# KiCad board Combined.kicad_pcb (continued)
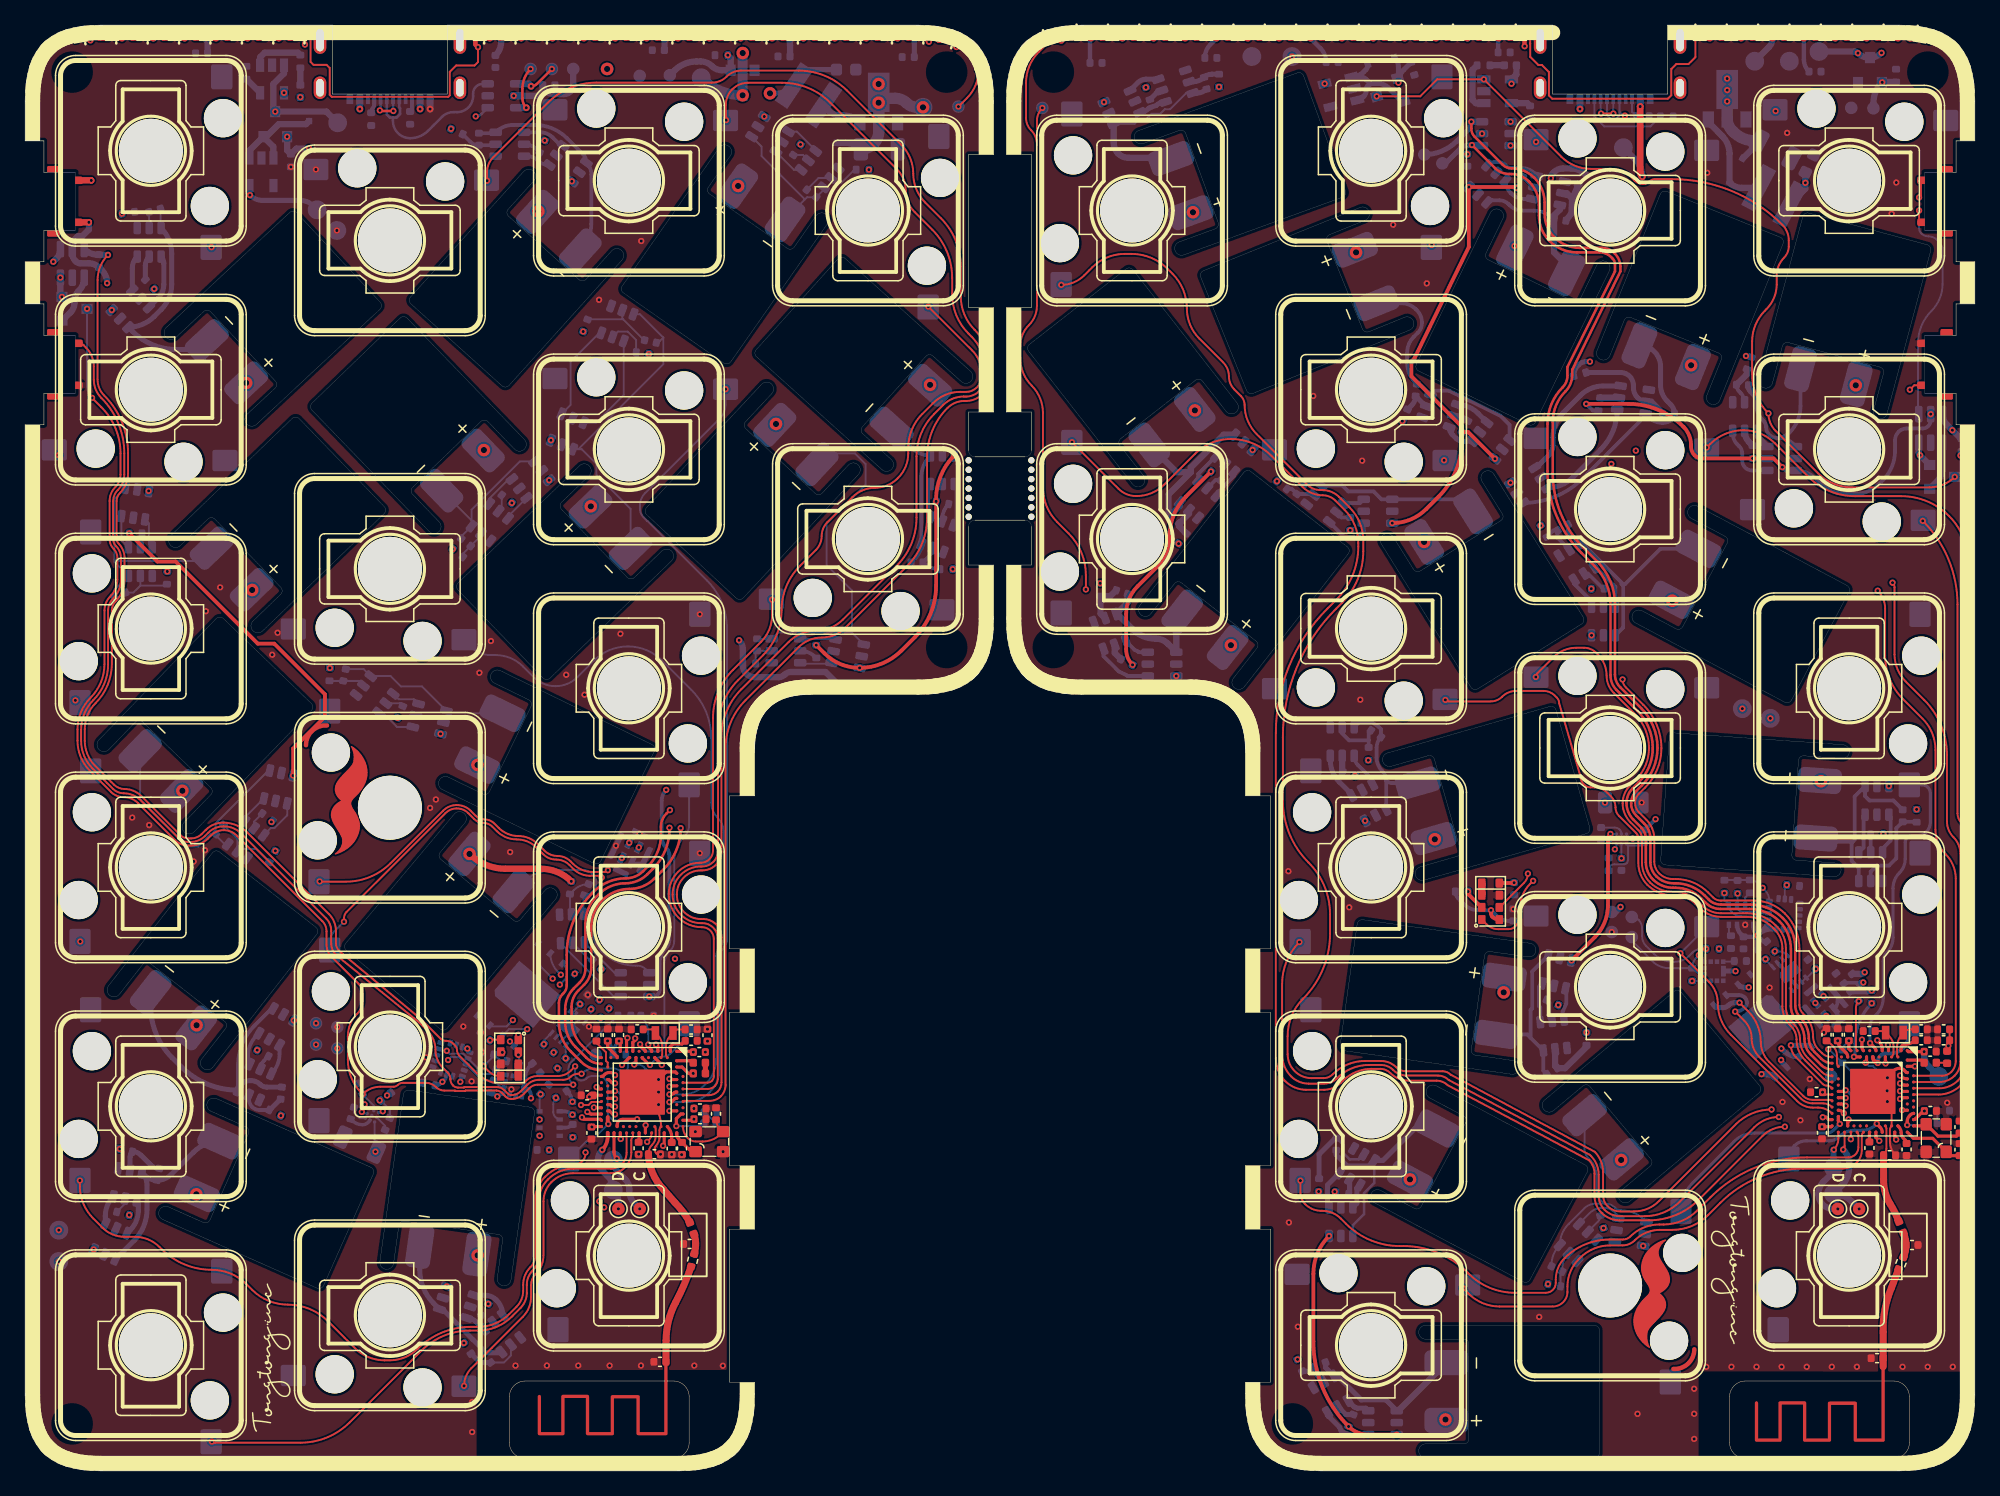
[diagram p0: board, top side]
## Routing (per net, layer and track width the routed paths; a pad name or vN(x,y) marks a point on that pad's centre or on a via; arc(x,y) is an arc through that point) (continued)
Net-(JP1-Pad2): length 3.7
  Top w0.25: v2(146.68,32.55) 146.76,32.63 U30.P2 ; v2(48.55,32.41) 48.69,32.55 U30#2.P2
  Bottom w0.15: v2(48.55,32.41) 48.84,32.41 arc(49.1,32.36) 49.31,32.21 49.46,32.07 arc(49.55,31.93) JP1#2.2 ; 147.67,31.89 147.27,32.29 146.95,32.29 v2(146.68,32.55)
Net-(JP2-Pad1): length 4
  Top w0.25: v2(47.02,30.29) 46.93,30.21 U30#2.AC13 ; v2(145.09,30.36) 145,30.26 U30.AC13
  Bottom w0.15: JP2#2.1 47.64,29.43 arc(47.56,29.83) 47.33,30.16 arc(47.19,30.26) v2(47.02,30.29)
  Bottom w0.25: v2(145.09,30.36) 145.17,30.36 145.72,29.81
Net-(L1-Pad2): length 1.7
  Top w0.15: L2.1 153.14,32.55
  Top w0.4: L2#2.1 L1#2.2
Net-(L2-Pad2): length 2.8
  Top w0.25: U30.B3 151.14,32.76 L2.2 ; L2#2.2 53.09,32.71 U30#2.B3
Net-(Q2-Pad1): length 8.1
  Bottom w0.5: Q2#2.1 152.38,78.91 arc(152.71,79.4) 152.82,79.98 U3.4 ; 4.71,95.07 U3#2.4 arc(4.6,94.58) 4.27,94.09 4.24,94.07 arc(4.02,93.73) 3.93,93.32 3.93,93.13 arc(3.86,92.74) 3.63,92.41 2.96,91.74 arc(2.95,91.73) Q2.1
Net-(Q10-Pad4): length 10.9
  Bottom w0.15: Q10#2.4 43.48,85.02 43.48,88.46 45.77,90.76
  Bottom w0.4: Q18.3 103.81,22.81 103.81,21.13 Q10.4
Net-(Q10-Pad6): length 10.4
  Bottom w0.15: Q10#2.6 45.51,83.59 47.71,85.79 Q18#2.1
  Bottom w0.4: Q10.6 106.13,21.32 106.13,22.54 Q18.1
Net-(Q11-Pad1): length 13.5
  Bottom w0.4: Q3.6 10.61,93.53 arc(10.94,94.03) 11.06,94.61 11.06,96.31 arc(11,96.6) Q11#2.1 ; Q3#2.6 arc(122.43,78.62) 123.38,79.25 125.57,81.44 arc(126.55,82.91) Q11.1
Net-(Q11-Pad2): length 3.4
  Bottom w0.4: R3#2.2 9.58,96.11 arc(9.66,96.51) Q11#2.2
  Bottom w0.5: Q11.2 125.56,85.59 R3.2
Net-(Q11-Pad3): length 13.4
  Bottom w0.4: Q3.4 8.54,95.9 arc(8.65,96.41) Q11#2.3 ; Q3#2.4 arc(120.44,80.04) 120.54,80.11 121.45,81.02 arc(121.69,81.37) 121.77,81.79 121.77,82.42 arc(121.99,83.49) 122.59,84.4 123.97,85.78 arc(124.79,86.33) 125.76,86.52 127.13,86.52 arc(127.15,86.52) Q11.3
Net-(Q12-Pad1): length 5.8
  Bottom w0.3: Q12.1 119.52,101.43 arc(118.92,101.55) 118.41,101.89 118.4,101.91 arc(118.09,102.36) Q4#2.6
  Bottom w0.4: Q4.6 8.39,19.22 arc(8.86,19.93) 9.02,20.76 9.02,21.26 arc(8.99,21.42) Q12#2.1
Net-(Q12-Pad2): length 2.2
  Bottom w0.15: 7.97,21.31 R4#2.2
  Bottom w0.3: R4.2 120.17,102.41 arc(120.23,102.37) Q12.2
Net-(Q12-Pad3): length 6.7
  Bottom w0.3: Q12.3 120.31,103.47 arc(119.83,103.79) 119.27,103.9 118.41,103.9 arc(118.23,103.94) 118.07,104.04 117.94,104.17 arc(117.72,104.32) 117.46,104.37 117.12,104.37 arc(116.8,104.31) Q4#2.4
  Bottom w0.4: Q4.4 6.39,20.34 arc(6.56,21.18) Q12#2.3
Net-(Q13-Pad1): length 4.3
  Bottom w0.15: 17.49,52.08 Q5#2.6
  Bottom w0.3: 87.74,66.17 88.43,65.48 88.71,65.34 88.76,65.29 Q5.6
Net-(Q13-Pad2): length 2.8
  Bottom w0.15: Q13.2 18.26,51.79 R5#2.2
  Bottom w0.5: R5.2 86.84,65.23 Q13#2.2
Net-(Q13-Pad3): length 8.2
  Bottom w0.15: Q13.3 19.58,51.26 19.87,51.26 20.89,52.28 Q5#2.4
  Bottom w0.3: Q5.4 87.85,63.39 87.79,63.46 87.16,63.76 85.95,64.97 Q13#2.3
Net-(Q14-Pad1): length 5.8
  Bottom w0.15: 64.55,66.35 Q14#2.1
  Bottom w0.3: Q14.1 146.52,49.7 146.52,52.22
Net-(Q14-Pad2): length 2.9
  Bottom w0.3: Q14.2 147.09,50.76 ; R6#2.2 62.99,64.9 arc(62.43,65.27) Q14#2.2
Net-(Q14-Pad3): length 5.2
  Bottom w0.15: 61.86,64.37 64.2,64.37
  Bottom w0.3: 148.04,49.63 148.68,50.27 148.68,52.2
Net-(Q15-Pad1): length 4.9
  Bottom w0.15: 38.56,79.1 36.99,77.53 Q15.1
  Bottom w0.4: Q15#2.1 90.84,109.18 arc(90.47,109.1) 90.14,108.89 89.77,108.76 arc(89.66,108.74) 89.57,108.67 89.53,108.63 arc(89.21,108.42) Q7.6
Net-(Q15-Pad2): length 2.3
  Bottom w0.15: R7#2.2 37.99,76.8
  Bottom w0.4: R7.2 90.2,109.91 arc(90.38,110.04) Q15#2.2
Net-(Q15-Pad3): length 4.7
  Bottom w0.15: 38.49,76.11 Q7#2.4
  Bottom w0.4: Q15#2.3 89.34,110.99 arc(88.99,110.92) 88.69,110.72 88.07,110.1 arc(88.07,110.09) Q7.4
Net-(Q16-Pad1): length 4.3
  Bottom w0.15: Q8#2.6 7.68,74.21 Q16.1
  Bottom w0.5: Q8.6 138.27,82.27 arc(138.07,82.58) Q16#2.1
Net-(Q16-Pad2): length 2.4
  Bottom w0.15: Q16.2 9.19,74.64
  Bottom w0.5: R8.2 137.43,82.02 arc(137.14,82.44) Q16#2.2
Net-(Q16-Pad3): length 7.5
  Bottom w0.15: Q8#2.4 9.87,75.57 9.87,73.92 Q16.3
  Bottom w0.3: Q16#2.3 136.09,82.74 arc(136.19,82.27) 136.45,81.87 136.62,81.71 arc(136.79,81.44) 136.86,81.13 136.86,80.57 arc(137.09,80.01) 137.64,79.78 Q8.4
Net-(Q17-Pad1): length 6.7
  Bottom w0.3: Q17#2.1 120.76,36.97 120.65,37.07 120.65,38.61 Q9.6 ; Q17.1 41.06,106.75 arc(41.59,106.64) 42.05,106.34 42.58,105.81 arc(42.72,105.71) Q9#2.6
Net-(Q17-Pad2): length 3.3
  Bottom w0.3: Q17#2.2 121.48,36.11 121.48,37.35 R9.2 ; R9#2.2 40.78,105.38 arc(40.32,105.69) Q17.2
Net-(Q17-Pad3): length 4.6
  Bottom w0.3: Q17.3 40.03,104.85 arc(40.47,104.76) 40.85,104.51 arc(41.26,104.24) 41.74,104.14 Q9#2.4 ; 122.83,38.43 122.83,37.26 122.54,36.61 122.54,36.09
Net-(Q18-Pad2): length 4.4
  Bottom w0.15: R10.2 48.7,90.18 48.02,90.86 47.25,90.86 Q18#2.2
  Bottom w0.4: Q18.2 105.57,22.17
Net-(Q19-Pad4): length 5.2
  Bottom w0.15: Q19#2.4 29.64,59.33 28.49,60.48
  Bottom w0.3: Q19.4 96.37,79.37 95.91,78.91 95.44,78.39 94.95,77.9
Net-(Q19-Pad6): length 4.8
  Bottom w0.15: Q19#2.6 30.99,61.54 29.78,61.54 Q23.1
  Bottom w0.3: 94.88,80.89 93.5,79.51 Q23#2.1
Net-(Q20-Pad4): length 5.5
  Bottom w0.15: 63.01,105.3 61.51,106.8 Q20.4
  Bottom w0.3: Q20#2.4 124.84,69.35 123.46,70.74 Q24#2.3
Net-(Q20-Pad6): length 6.4
  Bottom w0.15: Q24.1 61.27,103.76 Q20.6
  Bottom w0.3: 125.19,72.06 126.74,70.5 Q20#2.6
Net-(Q21-Pad4): length 5.9
  Bottom w0.3: Q25#2.3 arc(74.17,75.69) 74.23,76.01 74.23,78.27 arc(74.19,78.5) Q21.4
  Bottom w0.4: Q21#2.4 114.6,82.11 arc(114.3,82.17) 114.05,82.34 113.74,82.65 arc(113.56,82.92) Q25.3
Net-(Q21-Pad6): length 5.6
  Bottom w0.3: Q25#2.1 arc(72.03,76.33) 71.96,76.64 71.96,78.24 arc(72.01,78.49) Q21.6
  Bottom w0.4: Q21#2.6 115.79,84.35 arc(115.04,84.85) Q25.1
Net-(Q22-Pad4): length 6.5
  Bottom w0.3: Q22#2.4 106.69,74.97 106.19,74.47 105.14,74.47 103.94,75.68 ; Q22.4 20.28,33.25 arc(20.11,32.39) Q26#2.3
Net-(Q22-Pad6): length 4.5
  Bottom w0.3: Q22#2.6 106.39,77.18 Q26.1 ; Q22.6 18.44,34.71 arc(17.94,33.96) 17.76,33.08 17.76,32.75 arc(17.8,32.58) Q26#2.1
Net-(Q23-Pad2): length 2.8
  Bottom w0.15: Q23.2 29.87,61.22 R19#2.2
  Bottom w0.3: Q23#2.2 94.87,79.01 R19.2
Net-(Q24-Pad2): length 3.4
  Bottom w0.15: Q24.2 62,104.94 R20.2
  Bottom w0.3: 125.76,70.35 124.56,71.56 Q24#2.2
Net-(Q25-Pad2): length 2.8
  Bottom w0.3: Q25#2.2 73.1,75.87 arc(73.23,76.54) R21.2
  Bottom w0.4: Q25.2 114.05,84.13 arc(114.56,84.03) R21#2.2
Net-(Q26-Pad2): length 2.5
  Bottom w0.3: Q26.2 104.92,76.03 R22.2 ; R22#2.2 19.03,32.71 arc(18.83,32.41) Q26#2.2
Net-(Q27-Pad4): length 7
  Bottom w0.4: Q27#2.4 36.67,14.01 arc(37.13,13.92) 37.52,13.66 37.59,13.6 arc(37.94,13.07) Q30.3 ; Q30#2.3 104.02,56.68 arc(104.21,55.74) 104.74,54.94 105.66,54.02 arc(105.71,53.94) Q27.4
Net-(Q27-Pad6): length 4.5
  Bottom w0.3: Q27.6 arc(107.34,55.08) 107.15,55.36 106.23,56.28 arc(106,56.62) Q30#2.1
  Bottom w0.4: Q30.1 35.95,11.89 arc(35.6,12.12) Q27#2.6
Net-(Q28-Pad4): length 10.7
  Bottom w0.15: Q31#2.3 46.93,37.83 Q28#2.4
  Bottom w0.4: 107.01,2.86 105.6,2.86 104.91,3.14 104.76,3.49 103.8,4.45 Q31.3
Net-(Q28-Pad6): length 5.8
  Bottom w0.15: 44.58,42.12 46.97,39.73 Q28#2.6
  Bottom w0.4: 105.45,5.59 105.93,5.1 106.18,5 106.85,5 Q28.6
Net-(Q30-Pad2): length 1.3
  Bottom w0.5: Q30#2.2 104.97,55.79 R27#2.2
Net-(Q31-Pad2): length 3.6
  Bottom w0.15: Q31#2.2 44.84,40.9 arc(45.01,40.79) R28#2.2
  Bottom w0.4: Q31.2 105.27,4.5 R28.2
Net-(R43-Pad1): length 8.2
  In1.Cu w0.3: v2(28.26,29.55) 27.82,29.55 arc(27.41,29.46) v2(27.06,29.23)
  Bottom w0.15: TH1.1 29.08,28.81 R43#2.1 ; 127.76,49.86 128.8,49.86 TH1#2.1 ; 127.76,49.86 127.76,48.75 arc(127.73,48.6) 127.64,48.46 arc(127.54,48.4) 127.43,48.37 126.66,48.37 arc(126.48,48.34) 126.32,48.23 arc(126.24,48.1) 126.2,47.94 ; 127.76,49.86 U31#2.A1 ; 27.42,28.87 v2(27.06,29.23)
Net-(R43-Pad2): length 3.2
  Bottom w0.15: R43.2 126.2,49.76 arc(126.26,50.04) 126.42,50.28 arc(126.55,50.37) 126.71,50.4 U31#2.C2 ; U31.C2 28.7,27.51 R43#2.2
Net-(R44-Pad2): length 7.8
  Bottom w0.5: 18.74,112.31 18.74,112.75 19.09,113.1 21.75,113.1 R44#2.2 ; U33#2.1 115.62,109.07 115.36,109.33 115.36,111.73 R44.2
Net-(R45-Pad1): length 3.1
  Bottom w0.5: U33#2.5 119.72,109.07 R45#2.1 ; U33.5 17.65,110.99
Net-(U2-Pad3): length 29.5
  Top w0.15: v2(150.95,100.51) 150.95,99.72
  Top w0.5: U2#2.3 5.27,102.92 v2(5.28,102.91)
  In1.Cu w0.5: v2(2.25,96.43) 2.51,96.43 arc(3.7,96.67) 4.71,97.34 4.75,97.38 arc(5.64,98.72) 5.96,100.3 5.96,101.27 arc(5.78,102.16) v2(5.28,102.91)
  Bottom w0.15: v2(150.95,100.51) 150.95,99.1 arc(151,98.88) 151.12,98.68 arc(151.38,98.51) 151.68,98.45 arc(152.07,98.38) 152.4,98.15 152.53,98.03 arc(152.75,97.7) 152.82,97.32 152.82,94.65 arc(152.59,93.49) 151.93,92.5 arc(151.14,91.32) 150.86,89.92 150.86,84.42
  Bottom w0.5: v2(2.25,96.43) 2.5,96.68 arc(2.73,97.03) U3#2.1
Net-(U4-Pad4): length 4.4
  Top w0.35: U5.1 5.89,114.23 5.27,114.86 U4.4 ; U4#2.4 150.2,114.17 149.43,114.94 U5#2.1
Net-(U5-Pad4): length 4.2
  Top w0.35: U6.1 146.88,114.94 147.58,114.24 U5#2.4 ; U6#2.1 8.52,114.23 7.82,114.93 U5.4
Net-(U6-Pad4): length 4.2
  Top w0.35: U6#2.4 10.32,114.93 11.02,114.23 U7.1 ; U6.4 145.08,114.24 144.38,114.94 U7#2.1
Net-(U7-Pad4): length 4.2
  Top w0.35: U7#2.4 142.58,114.24 141.88,114.94 U8.1 ; U7.4 12.82,114.93 13.52,114.23 U8#2.1
Net-(U8-Pad4): length 4.2
  Top w0.35: 16.57,114.23 16.02,114.23 15.32,114.93 U8#2.4 ; U8.4 140.08,114.24 139.38,114.94 U9#2.1
Net-(U10-Pad1): length 4.2
  Top w0.35: U9.4 17.82,114.93 18.52,114.23 U10.1 ; U9#2.4 137.58,114.24 136.88,114.94 U10#2.1
Net-(U10-Pad4): length 4.2
  Top w0.35: U10#2.4 135.08,114.24 134.38,114.94 U11.1 ; 21.58,114.23 21.02,114.23 20.32,114.93 U10.4
Net-(U11-Pad4): length 44.8
  Top w0.15: U12#2.1 119.95,114.48 119.95,113.82 119.96,113.82 119.96,112.77 120.61,112.11 120.89,112.11 121.44,111.56 121.44,109.69 121.71,109.42 130.92,109.42 131.2,109.7 131.2,111.79 131.6,112.19 132.57,112.19 133.12,112.74 U11.4 ; U11#2.4 22.75,114.45 22.75,112.37 22.99,112.13 24.03,112.13 24.28,111.88 24.28,109.74 24.44,109.58 33.73,109.58 33.85,109.7 33.85,111.57 34.36,112.08 35.83,112.08 36.1,112.35 v2(36.1,113.54)
  Top w0.35: U12.1 35.89,113.75 v2(36.1,113.54)
Net-(U12-Pad4): length 4.2
  Top w0.35: U12.4 37.13,114.93 37.83,114.23 U13#2.1 ; U12#2.4 118.26,114.24 117.56,114.94 U13.1
Net-(U13-Pad4): length 4.2
  Top w0.35: U14.1 115.06,114.94 115.76,114.24 U13.4 ; U13#2.4 39.63,114.93 40.33,114.23 U14#2.1
Net-(U14-Pad4): length 4.2
  Top w0.35: U15#2.1 42.83,114.23 42.13,114.93 U14#2.4 ; U14.4 113.26,114.24 112.56,114.94 U15.1
Net-(U15-Pad4): length 4.2
  Top w0.35: U15#2.4 44.63,114.93 45.33,114.23 U16#2.1 ; U16.1 110.06,114.94 110.76,114.24 U15.4
Net-(U16-Pad4): length 4.2
  Top w0.35: U17#2.1 47.83,114.23 47.13,114.93 U16#2.4 ; U17.1 107.56,114.94 108.26,114.24 U16.4
Net-(U17-Pad4): length 4.2
  Top w0.35: U17.4 105.76,114.24 105.06,114.94 U18.1 ; U18#2.1 50.33,114.23 49.63,114.93 U17#2.4
Net-(U18-Pad4): length 4.2
  Top w0.35: U18.4 103.26,114.24 102.56,114.94 U19.1 ; U18#2.4 52.13,114.93 52.83,114.23 U19#2.1
Net-(U19-Pad4): length 4.2
  Top w0.35: U20#2.1 55.33,114.23 54.63,114.93 U19#2.4 ; U19.4 100.76,114.24 100.06,114.94 U20.1
Net-(U20-Pad4): length 4.2
  Top w0.35: U21.1 57.83,114.23 57.13,114.93 U20#2.4 ; U20.4 98.26,114.24 97.56,114.94 U21#2.1
Net-(U21-Pad4): length 4.2
  Top w0.35: U21.4 59.63,114.93 60.33,114.23 U22.1 ; U21#2.4 95.76,114.24 95.06,114.94 U22#2.1
Net-(U22-Pad4): length 4.2
  Top w0.35: U23.1 62.83,114.23 62.13,114.93 U22.4 ; U23#2.1 92.56,114.94 93.26,114.24 U22#2.4
Net-(U23-Pad4): length 4.2
  Top w0.35: U24#2.1 65.33,114.23 64.63,114.93 U23.4 ; U23#2.4 90.76,114.24 90.06,114.94 U24.1
Net-(U24-Pad4): length 4.2
  Top w0.35: U25.1 87.56,114.94 88.26,114.24 U24.4 ; U24#2.4 67.13,114.93 67.83,114.23 U25#2.1
Net-(U25-Pad4): length 4.2
  Top w0.35: U26#2.1 85.06,114.94 85.76,114.24 U25.4 ; U26.1 70.33,114.23 69.63,114.93 U25#2.4
Net-(U26-Pad4): length 4.1
  Top w0.35: U26.4 71.92,114.93 72.8,114.06 U27.1 ; U26#2.4 83.19,114.24 82.7,114.72 81.9,114.72
Net-(U37-Pad3): length 1.9
  Top w0.6: U37#2.3 U37#2.4 ; U37.4 U37.3

## Copper pours and planes (outline as drawn; the poured copper is in the pictures)
GND on Top: 143.3,-1.11 143.3,24.76 156.37,24.76 156.37,-1.11
GND on Top: 45.92,-1 45.92,24.87 58.99,24.87 58.99,-1
GND on Top: 77.49,116 77.49,57.95 58.99,57.95 58.99,-1 -0.71,-1 -0.71,116
GND on Top: 95.37,-1.11 95.37,58.89 77.97,58.89 77.97,116.89 156.37,116.89 156.37,-1.11
GND on Bottom: 95.37,-1.11 95.37,58.89 77.97,58.89 77.97,116.89 156.37,116.89 156.37,-1.11
GND on Bottom: 77.49,116 77.49,58 58.99,58 58.99,-1 -0.71,-1 -0.71,116
GND on In1.Cu: 95.37,-1.11 95.37,58.89 77.97,58.89 77.97,110.89 156.37,110.89 156.37,-1.11
GND on In1.Cu: 77.49,111 77.49,58 58.99,58 58.99,-1 -1.01,-1 -1.01,111
VBUS on In2.Cu: 103.37,102.87 103.37,110.89 130.37,110.89 130.37,102.87
VBUS on In2.Cu: 39.99,111 39.99,102 11.99,102 11.99,111
/BAROMETRIC/NRF_VDD on In2.Cu: 130.37,23.89 130.37,39.89 115.37,39.89 115.37,48.89 156.37,48.89 156.37,23.89
/BAROMETRIC/NRF_VDD on In2.Cu: 39.99,44 39.99,53 58.99,53 58.99,22 30.99,22 30.99,44
/LEDLane/Led_Ground on In1.Cu: 77.86,111.89 77.86,116.89 156.37,116.89 156.37,111.89
/LEDLane/Led_Ground on In1.Cu: 77.66,116.48 77.66,111.9 -0.51,111.92 -0.51,116.55
/LEDLane/Led_Vin on In2.Cu: 77.49,111.89 77.49,116.89 156.37,116.89 156.37,111.89
/LEDLane/Led_Vin on In2.Cu: 77.28,116.48 77.28,111.9 -0.51,111.92 -0.51,116.55
B+ on In2.Cu: 10.99,111 10.99,100.88 40.99,101 40.99,111 77.49,111 77.49,58 58.99,58 58.99,54 38.99,54 38.99,45 29.99,45 29.99,21 58.99,21 58.99,-1 -1.01,-1 -1.01,111
B+ on In2.Cu: 114.37,49.89 114.37,38.89 129.37,38.89 129.37,22.89 156.37,22.89 156.37,-1.11 95.37,-1.11 95.37,58.89 77.97,58.89 77.97,110.89 102.37,110.89 102.37,101.89 131.37,101.89 131.37,110.89 156.37,110.89 156.37,49.89

Small or netless copper shapes (teardrops, artwork), in the pictures only: 2 on Top

## Text on the board
B.Silkscreen: D- | D+ | + | B+ | BG | 3V | G | VB | VBUS | 5V | C|D | -SWD- | EN | R|G | LG | DIN | GND | VBAT | Bg
F.Silkscreen: D | C
